# Allegro board BeagleBone AI -64_PCB_V1.02_211119.brd (continued)
## Routing (per net, layer and track width the routed paths; a pad name or vN(x,y) marks a point on that pad's centre or on a via; arc(x,y) is an arc through that point) (continued)
DSI_TX1_N: length 93.5
  TOP w0.106: J16.5 33.15,69.63 33.25,69.52 33.25,69.24 33.49,69 34.05,68.44 34.31,68.44 v1(34.58,68.18)
  TOP w0.165: v1(-3.49,39.98) -3.49,39.98 U19.D12
  L3-SIGNAL w0.103: v1(-3.49,39.98) -3.49,39.69 -3.85,39.33 -3.85,38.89 -3.71,38.74 -3.34,38.74 -3.13,38.53 -3.13,37.29 -3.34,37.08 -3.34,36.93 -3.34,36.87 -2.92,36.45 -2.46,36.45 -1.99,35.99 -1.99,35.16 -2.65,34.51 -2.65,33.52 -0.35,31.22 4.12,31.22 5.77,29.57 11.71,29.57 11.99,29.29 11.99,28.96 12.1,28.86 12.3,28.86 12.41,28.96 12.41,29.29 12.69,29.57 13.15,29.57 13.43,29.29 13.43,28.96 13.53,28.86 13.74,28.86 13.84,28.96 13.84,29.29 14.12,29.57 14.58,29.57 14.87,29.29 14.87,28.96 14.97,28.86 15.18,28.86 15.28,28.96 15.28,29.29 15.56,29.57 16.59,29.57 17.28,28.88 23.76,28.88 26.09,31.22 31.55,31.22 33.46,33.12 33.46,40.51 35.49,42.55 35.49,48.8 34.18,50.1 34.18,54.97 36.8,57.58 36.8,58.36 36.56,58.6 36.56,65.79 35.26,67.08 35.26,68.25 35.11,68.4 34.8,68.4 v1(34.58,68.18)
DSI_TX1_P: length 93.5
  TOP w0.106: v1(34.58,68.94) 34.35,68.71 34.16,68.71 33.52,69.35 33.52,69.52 33.65,69.65 J16.6
  TOP w0.165: v1(-4.29,39.18) -4.69,39.58 U19.C13
  L3-SIGNAL w0.103: v1(-4.29,39.18) -4.29,38.9 -3.85,38.46 -3.85,37.29 -3.64,37.08 -3.64,36.93 -3.64,36.74 -3.04,36.15 -2.58,36.15 -2.3,35.86 -2.3,35.29 -2.95,34.63 -2.95,33.39 -2.08,32.52 -2.08,32.37 -1.79,32.08 -1.64,32.08 -1.5,31.93 -1.5,31.81 -1.18,31.49 -1.06,31.49 -0.48,30.91 3.99,30.91 5.65,29.26 11.58,29.26 11.69,29.16 11.69,28.83 11.97,28.55 12.43,28.55 12.71,28.83 12.71,29.16 12.81,29.26 13.02,29.26 13.12,29.16 13.12,28.83 13.41,28.55 13.87,28.55 14.15,28.83 14.15,29.16 14.25,29.26 14.46,29.26 14.56,29.16 14.56,28.83 14.84,28.55 15.3,28.55 15.58,28.83 15.58,29.16 15.69,29.26 16.47,29.26 17.15,28.58 23.88,28.58 26.22,30.91 31.68,30.91 33.76,33 33.76,40.39 35.79,42.42 35.79,48.92 34.49,50.23 34.49,54.84 37.1,57.46 37.1,58.48 36.86,58.73 36.86,65.91 35.57,67.21 35.57,68.38 35.24,68.71 34.8,68.71 v1(34.58,68.94)
DSI_TX2_N: length 92.9
  TOP w0.106: v1(36.04,69.13) 36.29,69.38 36.29,69.64 36.15,69.78 J16.11
  TOP w0.165: U19.B13 -4.69,38.78 v1(-4.29,38.38)
  L3-SIGNAL w0.103: v1(-4.29,38.38) -4.29,38.09 -4.72,37.67 -4.72,36.98 -4.36,36.63 -4.36,32.64 -3.67,31.95 -3.67,31.55 -3.77,31.46 -3.77,31.31 -3.62,31.16 -3.48,31.16 -3.38,31.26 -2.98,31.26 -1.31,29.59 3.7,29.59 6,27.28 21.25,27.28 21.35,27.38 21.35,27.69 21.63,27.97 22.09,27.97 22.38,27.69 22.38,27.38 22.48,27.28 23.7,27.28 26.65,30.23 32.01,30.23 34.55,32.77 34.55,40.03 36.66,42.14 36.66,48.36 38.69,50.39 38.69,58.04 37.78,58.96 37.78,60.53 38.78,61.53 38.78,62.99 37.98,63.78 37.98,65.63 36.24,67.37 36.24,68.93 v1(36.04,69.13)
DSI_TX2_P: length 93
  TOP w0.106: J16.12 36.65,69.76 36.56,69.67 36.56,69.38 v1(36.8,69.13)
  TOP w0.165: U19.A14 -5.49,37.98 -5.09,37.58 v1(-5.09,37.58)
  L3-SIGNAL w0.103: v1(-5.09,37.58) -5.02,37.52 -5.02,36.86 -4.67,36.5 -4.67,32.51 -3.98,31.83 -3.98,31.68 -4.07,31.58 -4.07,31.18 -3.75,30.86 -3.35,30.86 -3.25,30.95 -3.11,30.95 -1.43,29.28 3.57,29.28 5.87,26.98 21.38,26.98 21.66,27.26 21.66,27.56 21.76,27.66 21.97,27.66 22.07,27.56 22.07,27.26 22.35,26.98 23.83,26.98 26.78,29.92 32.14,29.92 34.86,32.64 34.86,39.91 36.96,42.01 36.96,48.24 39,50.27 39,58.17 38.08,59.08 38.08,60.4 39.08,61.4 39.08,63.11 38.28,63.91 38.28,65.76 36.55,67.5 36.55,68.88 v1(36.8,69.13)
DSI_TX3_N: length 94.1
  TOP w0.106: v1(28.73,29.38) 28.48,29.14 26.4,29.14 25.99,28.73 25.99,27.84 24.87,26.72 21.8,26.72 20.07,28.45 17.74,28.45 16.6,29.58 10.24,29.58 8.4,31.42 5.87,31.42 5.18,32.11 5.18,33.99 2.73,36.44 -5.11,36.44 -5.87,37.2 -5.87,38.14 -5.49,38.52 U19.B14 ; J16.14 37.65,69.78 37.75,69.67 37.75,68.71 v1(37.52,68.48)
  L3-SIGNAL w0.103: v1(37.52,68.48) 37.75,68.25 37.75,67.49 40.56,64.68 40.56,61.95 40.45,61.84 40.44,61.84 40.34,61.74 40.34,61.53 40.44,61.43 40.45,61.43 40.56,61.33 40.56,61.12 40.45,61.02 40.44,61.02 40.34,60.91 40.34,60.7 40.44,60.6 40.45,60.6 40.56,60.5 40.56,59.86 39.78,59.08 39.78,49.81 38.4,48.43 38.4,46.71 39.06,46.05 39.06,44.65 37.8,43.4 37.8,41.4 35.54,39.14 35.54,32.21 32.49,29.15 28.95,29.15 v1(28.73,29.38)
DSI_TX3_P: length 94.1
  TOP w0.106: v1(38.28,68.48) 38.04,68.73 38.04,69.63 38.15,69.74 J16.15 ; U19.A15 -6.14,37.83 -6.14,37.09 -5.99,36.94 -5.99,36.79 -6.05,36.73 -6.05,36.54 -5.94,36.43 -5.75,36.43 -5.69,36.49 -5.54,36.49 -5.22,36.17 2.62,36.17 4.91,33.88 4.91,32 5.76,31.15 8.29,31.15 10.13,29.32 16.49,29.32 17.63,28.18 19.96,28.18 21.69,26.46 24.98,26.46 26.26,27.73 26.26,28.62 26.51,28.87 28.48,28.87 v1(28.73,28.62)
  L3-SIGNAL w0.103: v1(28.73,28.62) 28.95,28.85 32.61,28.85 35.85,32.08 35.85,39.02 38.11,41.28 38.11,43.27 39.36,44.53 39.36,46.18 38.7,46.84 38.7,48.3 40.09,49.68 40.09,58.96 40.86,59.73 40.86,64.81 38.06,67.62 38.06,68.25 v1(38.28,68.48)
DSI_TXCLK_N: length 93
  TOP w0.106: v1(33.33,61.04) 33.56,61.27 33.56,61.97 33.67,62.09 33.67,63.1 34.49,63.92 37.53,63.92 37.99,64.38 37.99,67.4 37.61,67.78 36.29,67.78 34.75,69.32 34.75,69.65 34.65,69.76 J16.8
  TOP w0.165: U19.E10 v1(-1.89,40.78)
  L3-SIGNAL w0.103: v1(33.33,61.04) 33.56,60.81 33.56,60.5 34.5,59.56 34.5,58.33 34.31,58.14 34.16,58.14 34.1,58.2 33.95,58.2 33.8,58.06 33.8,57.91 33.87,57.85 33.87,57.7 31.55,55.38 31.55,49.51 32.54,48.52 32.54,46.93 32.83,46.65 33.13,46.65 33.23,46.55 33.23,46.34 33.13,46.24 32.83,46.24 32.54,45.95 32.54,45.49 32.83,45.21 33.13,45.21 33.23,45.11 33.23,44.9 33.13,44.8 32.83,44.8 32.54,44.52 32.54,42.65 31.4,41.51 31.4,34.06 30.71,33.38 26.19,33.38 25.81,33.76 16.81,33.76 16.71,33.86 16.71,34.39 16.43,34.67 15.97,34.67 15.69,34.39 15.69,33.86 15.58,33.76 15.38,33.76 15.27,33.86 15.27,34.39 14.99,34.67 14.53,34.67 14.25,34.39 14.25,33.86 14.15,33.76 13.65,33.76 13.42,33.99 12.25,33.99 12.15,34.09 12.15,34.39 11.87,34.67 11.41,34.67 11.13,34.39 11.13,34.09 11.02,33.99 10.82,33.99 10.71,34.09 10.71,34.39 10.43,34.67 9.97,34.67 9.69,34.39 9.69,34.09 9.59,33.99 9.38,33.99 9.28,34.09 9.28,34.39 9,34.67 8.54,34.67 8.25,34.39 8.25,34.09 8.15,33.99 7.94,33.99 7.84,34.09 7.84,34.39 7.56,34.67 7.1,34.67 6.82,34.39 6.82,34.09 6.71,33.99 6.2,33.99 5.88,34.31 5.88,34.46 5.91,34.49 5.91,34.63 5.77,34.78 5.62,34.78 5.59,34.75 5.44,34.75 5.3,34.89 5.3,35.04 5.33,35.07 5.33,35.22 5.18,35.36 5.04,35.36 5,35.33 4.86,35.33 3.89,36.3 0.34,36.3 -0.2,36.83 -0.2,37.16 0.07,37.43 0.07,38.53 -0.22,38.82 -0.44,38.82 -0.65,39.03 -0.65,39.26 -0.94,39.54 -1.31,39.54 -1.53,39.76 -1.53,40.42 v1(-1.89,40.78)
DSI_TXCLK_P: length 93
  TOP w0.106: J16.9 35.15,69.76 35.02,69.64 35.02,69.43 36.4,68.05 37.72,68.05 38.26,67.51 38.26,64.27 37.64,63.65 34.6,63.65 33.94,62.99 33.94,61.98 33.83,61.86 33.83,61.3 v1(34.09,61.04)
  TOP w0.165: U19.E11 -3.09,41.18 v1(-2.69,40.78)
  L3-SIGNAL w0.103: v1(34.09,61.04) 33.86,60.81 33.86,60.63 34.8,59.69 34.8,58.2 31.86,55.26 31.86,49.63 32.85,48.64 32.85,47.06 32.95,46.95 33.25,46.95 33.53,46.67 33.53,46.21 33.25,45.93 32.95,45.93 32.85,45.83 32.85,45.62 32.95,45.52 33.25,45.52 33.53,45.24 33.53,44.78 33.25,44.49 32.95,44.49 32.85,44.39 32.85,42.52 31.71,41.38 31.71,33.94 30.84,33.07 26.07,33.07 25.69,33.45 16.69,33.45 16.4,33.74 16.4,34.26 16.3,34.37 16.09,34.37 15.99,34.26 15.99,33.74 15.71,33.45 15.25,33.45 14.97,33.74 14.97,34.26 14.86,34.37 14.66,34.37 14.55,34.26 14.55,33.74 14.27,33.45 13.52,33.45 13.29,33.68 12.13,33.68 11.85,33.96 11.85,34.26 11.74,34.37 11.54,34.37 11.43,34.26 11.43,33.96 11.15,33.68 10.69,33.68 10.41,33.96 10.41,34.26 10.31,34.37 10.1,34.37 10,34.26 10,33.96 9.71,33.68 9.25,33.68 8.97,33.96 8.97,34.26 8.87,34.37 8.66,34.37 8.56,34.26 8.56,33.96 8.28,33.68 7.82,33.68 7.54,33.96 7.54,34.26 7.43,34.37 7.23,34.37 7.12,34.26 7.12,33.96 6.84,33.68 6.08,33.68 3.77,35.99 0.21,35.99 -0.5,36.7 -0.5,37.16 -0.7,37.36 -0.7,38.51 -1.02,38.82 -1.24,38.82 -1.45,39.03 -1.45,39.26 -1.74,39.55 -1.97,39.55 -2.25,39.83 -2.25,40.34 v1(-2.69,40.78)
DSI_TXRCALIB: length 0.6
  TOP w0.229: v1(-3.49,41.58) -3.89,41.98 U19.F12
E22_WKUP_GPIO0_37: length 63.3
  TOP w0.229: U19.E22 -11.89,41.18 v1(-12.29,40.78)
  L3-SIGNAL w0.102: v1(-20.24,10.31) -20.71,10.78 -23.55,10.78 -26.77,7.57 -34.03,7.57 -36.87,10.42 -44.44,10.42 v1(-45.87,8.99)
  L10-SIGNAL w0.102: v1(-20.24,10.31) -20.17,10.31 -19.07,11.41 -19.07,15.22 -18.41,15.88 -18.41,21.86 -17.06,23.21 -17.06,25.63 -16,26.7 -16,29.72 -15.41,30.3 -15.41,33.43 -12.92,35.92 -12.92,38.71 -12.29,39.34 v1(-12.29,40.78)
E24_MCU_BOOTMODE01: length 12.8
  TOP w0.229: v1(-13.89,40.78) -13.49,41.18 U19.E24
  L12-SIGNAL w0.102: v1(-20.09,35.52) -20.09,35.91 -20.31,36.14 -20.31,38.12 -18.89,39.54 -17.02,39.54 -16.73,39.83 -16.73,40.05 -16.41,40.38 -15.61,40.38 -15.61,40.38 -14.3,40.38 v1(-13.89,40.78)
  BOTTOM w0.165: v1(-20.09,35.52) -20.09,35.54 -19.98,35.43 -19.98,34.96 -20.21,34.73 R121.2 R126.1
E26_MCU_I3C0_SDAPULLEN: length 14
  TOP w0.165: v1(-26,39.27) -26.07,39.21 R210.1
  TOP w0.229: v1(-15.49,40.78) -15.09,41.18 U19.E26
  L3-SIGNAL w0.102: v1(-26,39.27) -25.27,40.01 -23.5,40.01 -22.43,41.07 -21.38,41.07 -21.3,40.99 -20.99,40.99 -20.99,41 -19.73,41 -19.22,41.51 -17.9,41.51 -17.42,41.99 -15.34,41.99 -15.1,41.75 -15.1,41.42 -15.44,41.08 -15.44,40.84 v1(-15.49,40.78)
E27_MCU_BOOTMODE00: length 8.6
  TOP w0.229: U19.E27 -16.29,40.78 v1(-16.29,40.78)
  L3-SIGNAL w0.102: v1(-16.29,40.78) -16.29,40.54 -16.69,40.15 -16.69,39.83 -16.94,39.58 -17.26,39.58 -17.49,39.35 -17.49,36.84 v1(-18.81,35.52)
  BOTTOM w0.165: v1(-18.81,35.52) -18.85,35.48 R107.2 R120.1
E28_MCU_BOOTMODE02: length 3.7
  TOP w0.229: U19.E28 -16.69,41.18 v1(-17.09,40.78)
  L12-SIGNAL w0.102: v1(-17.09,40.78) -17.45,40.42 -18.27,40.42 v1(-18.94,41.1)
  BOTTOM w0.165: v1(-18.94,41.1) -18.94,41.14 R112.2 R113.1
EEPROM_WP: length 10.2
  BOTTOM w0.165: R156.1 -36.02,46.96 -36.16,46.81 -36.45,46.81 -36.58,46.69 R155.2 ; R156.1 -35.48,47.23 -35.34,47.36 U7.5 ; R156.1 -36.02,47.66 -36.37,48.01 -37.54,48.01 -37.99,47.56 R377.1 -38.35,47.22 -39.08,46.48 -39.08,45.06 -39.52,44.63 TP15.1
EMMC_CLK: length 36.5
  TOP w0.076: U26.M6 21.7,60.25 v1(21.7,60.02)
  TOP w0.165: R305.2 7.83,58.6 v1(8.08,58.85)
  L3-SIGNAL w0.102: v1(21.7,60.02) 22.66,60.02 23.09,59.59 24.11,59.59 25.25,58.45 25.25,56.47 24.85,56.06 24.41,56.06 24.31,56.16 24.31,57.08 24.21,57.18 24.01,57.18 23.9,57.08 23.9,56.16 23.8,56.06 23.6,56.06 23.5,56.16 23.5,57.08 23.4,57.18 23.19,57.18 23.09,57.08 23.09,56.16 22.99,56.06 22.79,56.06 22.68,56.16 22.68,57.08 22.58,57.18 22.38,57.18 22.28,57.08 22.28,56.16 22.18,56.06 21.97,56.06 21.87,56.16 21.87,57.08 21.77,57.18 21.57,57.18 21.47,57.08 21.47,56.16 21.36,56.06 20.91,56.06 18.85,58.12 18.85,60.15 18.47,60.53 15.07,60.53 13.98,59.44 9.07,59.44 8.49,58.85 v1(8.08,58.85)
EMMC_CMD: length 31.9
  TOP w0.076: U26.M5 21.54,60.91 v1(21.7,60.91)
  TOP w0.165: R304.2 R303.2 7.86,60.1 v1(7.96,60)
  L3-SIGNAL w0.102: v1(7.96,60) 7.96,59.59 8.06,59.49 8.67,59.49 9.01,59.83 9.01,60.19 9.3,60.48 9.66,60.48 9.86,60.28 10.06,60.28 10.27,60.48 10.63,60.48 10.73,60.38 10.73,59.97 10.85,59.84 11.03,59.84 11.13,59.95 11.13,60.38 11.23,60.48 12.99,60.48 13.51,61 14.68,61 14.78,61.11 14.78,61.39 14.88,61.49 15.09,61.49 15.19,61.39 15.19,61.11 15.29,61 15.72,61 15.93,60.8 17.67,60.8 17.77,60.9 17.77,61.6 17.87,61.7 18.08,61.7 18.18,61.6 18.18,60.9 18.27,60.81 18.27,60.81 18.83,60.81 19.01,61 19.01,61.6 19.12,61.7 19.4,61.7 19.5,61.6 19.5,60.72 19.67,60.56 20.05,60.56 20.17,60.43 20.17,58.04 20.63,57.58 23.22,57.58 23.37,57.74 23.37,58.24 23.12,58.5 21.34,58.5 21.04,58.8 21.04,60.66 21.29,60.91 v1(21.7,60.91)
EMMC_DAT0: length 7.4
  TOP w0.076: 27.5,64.29 27.41,64.2 27.41,62.6 27.03,62.21 U26.A3
  TOP w0.165: 27.5,64.29 28.17,64.96 28.17,64.97 28.31,65.11 28.31,65.6 29.19,66.47 29.19,67.18 28.78,67.59 R326.2 R325.2
EMMC_DAT1: length 8.1
  TOP w0.076: 27.84,62.26 27.3,61.71 U26.A4
  TOP w0.165: 27.84,62.26 30.3,64.71 30.3,64.91 31.07,65.69 31.74,65.69 32.1,66.05 R333.2 R340.2
EMMC_DAT2: length 7.5
  TOP w0.076: U26.A5 27.84,61.21
  TOP w0.165: R342.2 R335.2 32.1,64.31 31.67,63.88 30.52,63.88 27.84,61.21
EMMC_DAT3: length 6.5
  TOP w0.076: 26.52,64.29 25.99,63.76 25.99,62.96 U26.B2
  TOP w0.165: R321.2 R322.2 27.02,67.59 27.44,67.17 27.44,65.2 26.52,64.29
EMMC_DAT4: length 7.3
  TOP w0.076: 27.06,64.29 27.06,62.66 26.85,62.46 26.48,62.46 U26.B3
  TOP w0.165: R323.2 R324.2 27.91,67.59 28.33,67.18 28.33,66.37 27.84,65.89 27.84,65.13 27.06,64.34 27.06,64.29
EMMC_DAT5: length 8.8
  TOP w0.076: U26.B4 26.48,61.95 27.16,61.95 27.67,62.46 27.67,62.92 27.84,63.1
  TOP w0.165: 27.84,63.1 28.31,63.57 28.31,64.02 28.83,64.53 28.83,64.57 30.38,66.13 30.38,67.18 29.97,67.59 R328.2 R327.2
EMMC_DAT6: length 8.4
  TOP w0.076: 27.84,61.72 27.59,61.47 26.49,61.47 U26.B5
  TOP w0.165: 27.84,61.72 30.9,64.78 31.7,64.78 32.1,65.19 R334.2 R341.2
EMMC_DAT7: length 7.9
  TOP w0.076: 27.84,60.88 27.71,60.88 27.64,60.95 26.48,60.95 U26.B6
  TOP w0.165: R343.2 R336.2 32.1,63.44 31.48,62.82 30.03,62.82 28.09,60.88 27.84,60.88
EMMC_DS: length 1.3
  TOP w0.165: U26.H5 22.94,61.5 v1(22.94,61.7)
  BOTTOM w0.165: R41.1 23.09,62.28 23.09,61.85 v1(22.94,61.7)
EMMC_RESET: length 6.6
  TOP w0.076: U26.K5 21.99,61.45 21.99,64.02 21.72,64.29
  TOP w0.165: R319.2 R320.2 21.49,64.52 21.72,64.29
EMMC_VCCI: length 2.3
  TOP w0.076: U26.C2 25.49,62.95 25.49,63.64 v1(25.53,63.68)
  BOTTOM w0.254: C66.1 25.61,63.76 v1(25.53,63.68) 25.55,63.66 C63.1
EN_1V1: length 2.5
  TOP w0.165: R276.2 12.15,28.45 11.69,27.99 11.69,27.31 11.34,26.96 U18.5
EN_2V5: length 2.4
  TOP w0.165: U9.5 -19.29,17.45 -18.34,16.5 R163.2
EN_3V3IO_LDSW: length 25.9
  TOP w0.165: R317.1 18.52,23.07 v1(18.68,23.22) 18.49,23.4 U23.3 ; U29.53 v1(38.57,30.5)
  L10-SIGNAL w0.102: v1(38.57,30.5) 37.57,29.49 33.51,29.49 32.14,28.12 24.82,28.12 23.09,26.39 20.43,26.39 18.68,24.64 v1(18.68,23.22)
EN_DDR_BUCK: length 16.7
  TOP w0.165: R345.1 36.02,37.16 36.25,37.39 v1(36.25,37.54) 35.91,37.89 U28.8 ; U29.46 v1(42.07,30.55)
  L5-SIGNAL w0.102: v1(42.07,30.55) 41.6,30.08 39.96,30.08 39.66,30.38 39.66,31.04 39.44,31.25 36.42,31.25 35.72,31.95 35.72,37.01 v1(36.25,37.54)
EN_DRV_OUT: length 5.7
  TOP w0.165: U30.29 46.98,50.62 48.35,49.25 49.67,49.25 TP14.1
EN_LM5141_ON: length 3.7
  BOTTOM w0.165: U3.23 17.64,11.71 17.13,11.2 17.13,9.78 16.51,9.17 R56.2
EXP_USB1_DN4_D_N: length 10.7
  TOP w0.13: P9.E2 23.95,23.65 23.83,23.52 20.5,23.52 19.62,22.63 19.62,21.19 19.09,20.66 18.55,20.66 18.34,20.87 D40.3 17.97,20.94 L14.2
EXP_USB1_DN4_D_P: length 10.7
  TOP w0.13: P9.E1 23.95,23.13 23.83,23.25 20.61,23.25 19.88,22.52 19.88,21.07 19.2,20.39 18.55,20.39 18.34,20.19 D40.2 17.95,20.09 L14.3
F25_MCU_BOOTMODE04: length 67.4
  TOP w0.229: v1(-14.69,41.58) -14.69,41.58 U19.F25
  L5-SIGNAL w0.102: v1(-43.63,12.83) -43.63,15.83 -39.14,20.32 -39.14,28.91 -39.59,29.36 -39.59,34.29 -42.23,36.93 -42.23,39.3 -38.78,42.75 -35.27,42.75 -34.69,42.17 -30.45,42.17 -29.81,42.8 -27.93,42.8 -27.35,43.38 -26.08,43.38 v1(-25.57,43.89)
  L12-SIGNAL w0.102: v1(-25.57,43.89) -24.49,43.89 -24.2,43.6 -22.21,43.6 -22.02,43.41 -20.19,43.41 -19.2,44.4 -14.47,44.4 -14.27,44.2 -14.27,42.01 v1(-14.69,41.58)
  BOTTOM w0.165: J10.8 -44.27,12.81 -44.25,12.83 v1(-43.63,12.83) ; R140.1 -25.67,44.32 R139.2 -25.66,43.98 v1(-25.57,43.89)
F26_MCU_BOOTMODE03: length 98.3
  TOP w0.165: R246.1 -22.43,40.25 v1(-22.47,40.29) -22.41,40.35 R247.2
  TOP w0.229: U19.F26 -15.09,41.98 v1(-15.49,41.58)
  L3-SIGNAL w0.102: v1(-37.71,11.84) -38.84,11.84 -38.92,11.91 -45.46,11.91 v1(-45.84,11.53)
  L5-SIGNAL w0.102: v1(-40.23,40.01) -38.4,40.01 -37.59,40.82 -33.67,40.82 -33.12,41.38 -31.79,41.38 -31.44,41.02 -31.34,41.02 -31.24,40.92 -30.25,40.92 -30.09,41.07 -29.38,41.07 -28.67,40.36 -28.14,40.36 -27.78,40.72 -27.78,40.92 -27.5,41.2 -25.56,41.2 -25.26,40.9 -23.08,40.9 v1(-22.47,40.29) -20.02,40.29 -19.86,40.12 -19.08,40.12 -17.98,41.22 -15.85,41.22 v1(-15.49,41.58)
  L10-SIGNAL w0.102: v1(-37.71,11.84) -36.09,13.46 -36.09,16.38 -38.3,18.59 -38.3,28.75 -39.21,29.67 -39.21,39.5 -39.72,40.01 v1(-40.23,40.01) -40.51,40.29 -40.51,47.09 -38.45,49.15 -38.45,51.97 -37.99,52.43 -37.99,57.48 v1(-37.56,57.91)
  BOTTOM w0.165: v1(-37.56,57.91) Q1.1 -38.14,57.98 -41.64,61.49 SW1.4 SW1.2
F27_MCU_SPI1_CS0: length 65.5
  TOP w0.229: U19.F27 -16.29,41.58 v1(-16.29,41.58)
  L3-SIGNAL w0.102: v1(-16.29,41.58) -16.54,41.58 -16.93,41.19 -18.27,41.19 -19.95,39.51 -21.52,39.51 -21.85,39.84 -23.34,39.84 -23.4,39.78 -24.86,39.78 v1(-25.37,39.27)
  L5-SIGNAL w0.102: v1(-25.37,39.27) -25.77,39.68 -26.38,39.68 -26.95,40.25 -27.87,40.25 -27.98,40.13 -30.04,40.13 -30.19,40.29 -34.33,40.29 -34.64,40.59 -37.38,40.59 -38.37,39.6 -40.89,39.6 -41.55,38.94 -41.55,37.28 -38.91,34.63 -38.91,29.65 -38.45,29.19 -38.45,17.42 -40.41,15.46 -40.41,12.24 -39.49,11.33 v1(-39.49,10.92)
  BOTTOM w0.165: v1(-39.49,10.92) -44.17,10.92 -44.82,10.27 J10.12
F28_MCU_BOOTMODE05: length 62.9
  TOP w0.229: U19.F28 -17.09,41.58 v1(-17.09,41.58)
  L10-SIGNAL w0.102: v1(-21.33,36.63) -21.33,36.15 -21.76,35.71 -21.76,33.91 -21.63,33.78 -21.63,31.29 -21.53,31.19 -21.53,22.56 -21.69,22.4 -21.69,14.25 -20.97,13.54 v1(-20.97,11.15)
  L12-SIGNAL w0.102: v1(-45.84,14.07) -40.79,14.07 -36.6,9.88 -24.68,9.88 -23.41,11.15 v1(-20.97,11.15)
  BOTTOM w0.114: -18.31,39.6 -16.93,39.6 -16.71,39.82 -16.71,41.2 v1(-17.09,41.58)
  BOTTOM w0.165: v1(-21.33,36.63) -21.33,37.75 -20.36,38.71 -19.41,38.71 -19.01,39.11 R115.2 R114.1 -18.52,39.81 -18.31,39.6
FAN_PWM: length 12.8
  TOP w0.165: R374.2 R384.2 v1(-41.84,6.85) -42.01,6.68 Q5.3 ; v1(-38.33,12.69) D49.2 -38.76,12.31 -38.99,12.31 -39.81,11.48 J1.4
  L5-SIGNAL w0.102: v1(-41.84,6.85) -41.55,7.13 -41.43,7.13 -40.68,7.89 -40.68,8.87 -38.33,11.22 v1(-38.33,12.69)
FAN_TACH: length 19.2
  TOP w0.165: v1(-38.38,13.66) D48.2 -38.38,13.65 -39.29,12.73 J1.3 ; R376.2 R385.2 -41.5,5.49 -41.95,5.95 -43.55,5.95 -44.32,6.71 v1(-44.9,6.71) -45.38,6.71 Q6.3
  L5-SIGNAL w0.102: v1(-38.38,13.66) -38.38,13.26 -38.75,12.88 -38.75,11.13 -40.91,8.97 -40.91,8 -41.55,7.36 -44.25,7.36 v1(-44.9,6.71)
FB_1V1: length 2.9
  TOP w0.203: U18.8 7.06,25.96
  TOP w0.254: 7.06,25.96 6.6,25.5 R299.1 R277.2
FB_2V5: length 2.4
  TOP w0.203: R164.1 -20.15,21.34 -20.29,21.2 U9.8
  TOP w0.254: R164.1 R166.2
G22_MCU_UART0_RXD: length 61.5
  TOP w0.229: U19.G22 -11.89,42.78 v1(-12.29,42.38)
  L3-SIGNAL w0.102: v1(-20.16,9.6) -20.57,10.01 -24,10.01 -26.67,7.34 -34.16,7.34 -36.67,9.86 v1(-38.12,9.86)
  L10-SIGNAL w0.102: v1(-20.16,9.6) -18.84,10.92 -18.84,11.23 -16.2,13.87 -16.2,20.42 -15.82,20.8 -15.82,22.71 -16.07,22.96 -16.07,23.65 -15.87,23.85 -15.61,23.85 -14.67,24.79 -14.67,25.53 -14.85,25.71 -14.85,31.29 -11.63,34.52 -11.63,37.09 -11.91,37.36 -11.91,38.69 -11.58,39.02 -11.58,41.67 v1(-12.29,42.38)
  BOTTOM w0.165: v1(-38.12,9.86) -38.65,9.86 -39.06,10.27 J10.11
G26_MCU_I2C1_SDA: length 14.9
  TOP w0.165: v1(-28.41,43.21) -28.44,43.21 -28.44,43.67 R194.1
  TOP w0.229: v1(-15.49,42.38) -15.49,42.38 U19.G26
  L12-SIGNAL w0.102: v1(-28.41,43.21) -28.13,42.93 -28.13,42.92 -27.78,42.57 -26.21,42.57 -25.72,42.08 -23.26,42.08 -23.08,42.26 -19.55,42.26 -19.27,41.99 -15.89,41.99 v1(-15.49,42.38)
G27_MCU_I2C1_SCL: length 13.2
  TOP w0.165: R200.1 -27.39,43.55 -27.07,43.87 v1(-26.99,43.87)
  TOP w0.229: v1(-16.29,42.38) -15.89,42.78 U19.G27
  L12-SIGNAL w0.102: v1(-16.29,42.38) -16.69,42.78 -22.1,42.78 -22.47,43.14 -26.27,43.14 v1(-26.99,43.87)
G29_MCU_BOOTMODE08: length 10.4
  TOP w0.229: v1(-17.89,42.38) -17.49,42.78 U19.G29
  L3-SIGNAL w0.102: v1(-17.89,42.38) -20.24,42.38 -20.49,42.13 -22.13,42.13 -22.57,41.69 -22.57,41.67 -22.95,41.29 -25.71,41.29 v1(-26.23,40.77)
  BOTTOM w0.165: R144.1 -26.25,40.75 v1(-26.23,40.77) -26.23,40.35 -26.31,40.27 R143.2
GRSTZ: length 7.4
  TOP w0.165: R288.2 R289.2 -16.03,25.08 -15.59,25.53 -11.75,25.53 -11.01,26.27 U20.50
H27_MCU_TIMER_IO1: length 63.9
  TOP w0.229: U19.H27 -16.29,43.18 v1(-16.29,43.18)
  L5-SIGNAL w0.102: v1(-16.29,43.18) -16.73,42.74 -18.52,42.74 -18.99,42.27 -21.99,42.27 -22.57,41.69 -22.57,41.61 -22.98,41.2 -25.24,41.2 -26.1,42.06 -27.49,42.06 -28.35,41.2 -28.85,41.2 -29.21,41.56 -30.27,41.56 -30.46,41.38 -31.03,41.38 -31.59,41.94 -39.2,41.94 -42.01,39.14 -42.01,37.09 -39.36,34.44 -39.36,29.46 -38.91,29 -38.91,17.7 -42.54,14.07 -42.54,8.33 v1(-41.95,7.75)
H28_MCU_BOOTMODE09: length 8.5
  TOP w0.229: v1(-17.09,43.18) -17.09,43.18 U19.H28
  L3-SIGNAL w0.102: v1(-17.09,43.18) -17.47,43.56 -19.7,43.56 -20.4,42.87 -22.97,42.87 v1(-23.26,42.58)
  BOTTOM w0.165: R138.1 -23.35,43.01 R137.2 -23.34,42.91 -23.21,42.78 -23.21,42.58 v1(-23.26,42.58)
H29_MCU_BOOTMODE06: length 4.4
  TOP w0.165: U19.H29 -17.78,43.29 -18.9,43.29 -19.63,42.57 R267.1 -20.59,42.57 -21.15,42.01 R268.2
H_DDR_RET_1V1: length 76.2
  TOP w0.165: U29.47 v1(41.57,30.91)
  TOP w0.229: U19.P6 v1(1.31,47.98)
  L5-SIGNAL w0.102: v1(24.8,53.93) 24.39,53.93 24.24,54.08 21.06,54.08 v1(20.86,53.87) ; v1(41.57,30.91) 41.94,31.28 44.6,31.28 46.87,33.55 46.87,38.79 46.64,39.02 v1(46.64,39.42)
  L10-SIGNAL w0.102: v1(46.64,39.42) 46.13,39.93 46.13,42.42 47.56,43.84 47.56,48.31 44.89,50.98 42.4,50.98 42.27,51.11 41.97,51.11 41.84,50.98 33.53,50.98 32.29,52.22 29.52,52.22 28.47,53.28 27.3,53.28 26.65,53.93 v1(24.8,53.93)
  L12-SIGNAL w0.102: v1(1.31,47.98) 1.7,47.59 5.47,47.59 11.26,53.37 15.81,53.37 16.19,52.99 20.36,52.99 20.86,53.48 v1(20.86,53.87)
  BOTTOM w0.165: v1(20.86,53.87) 20.97,53.77 R44.2
H_MCU_INT#: length 133.7
  TOP w0.165: v1(35.11,21.72) 35.49,22.1 35.49,22.41 35.72,22.64 U29.14 ; U30.14 37.77,50.62 37.62,50.48 37.62,50.27 36.89,49.53 32.92,49.53 31.98,48.6 v1(31.98,48.34) 31.85,48.21 R329.2
  L5-SIGNAL w0.102: v1(35.11,21.72) 36,22.61 36,27.97 31.5,32.47 31.5,45.82 31.66,45.98 31.66,47.17 31.64,47.19 31.64,47.99 v1(31.98,48.34) ; v1(-23.34,15.67) -23.05,15.39 -15.93,15.39 -15.39,15.92 -5.49,15.92 -5.07,16.33 -3.12,16.33 -2.71,15.92 6.02,15.92 8.44,18.34 16.39,18.34 18.57,16.16 32.16,16.16 32.92,15.39 35.29,15.39 v1(35.36,15.32)
  L10-SIGNAL w0.102: v1(35.36,15.32) 35.36,21.07 35.11,21.32 v1(35.11,21.72) ; v1(-23.34,15.67) -23.34,23.06 -23.18,23.22 -23.18,30.33 -22.09,31.42 -22.09,33.58 -22.22,33.71 -22.22,35.92 -22.07,36.07 -22.07,37.11 -21.86,37.31 -21.86,38.18 -22.1,38.42 -22.1,40.44 -22.2,40.54 v1(-22.2,41.54)
  BOTTOM w0.165: -22.2,41.44 v1(-22.2,41.54)
H_MCU_PORZ: length 187.2
  TOP w0.165: v1(-37.22,46.75) -37.18,46.79 -36.8,46.79 -36.66,46.65 U12.4 ; R330.2 v1(32.01,47.36) ; U30.25 v1(44.13,48.64) ; v1(-23.03,44.97) -23.03,44.96 -22.99,45 R239.2
  L5-SIGNAL w0.102: v1(-23.03,44.97) -23.32,45.26 -23.39,45.26 -23.7,45.58 -23.7,45.61 -23.98,45.89 -31.71,45.89 -32,46.18 -33.5,46.18 -34.07,46.75 v1(-37.22,46.75) ; v1(44.13,48.64) 44.13,45.63 47.41,42.34 47.43,42.34 47.56,42.22 47.56,33.2 46.88,32.53 46.88,28.89 45.75,27.76 45.24,27.76 44.33,26.85 44.33,19.64 42.55,17.86 42.55,15.85 40.33,13.63 36.31,13.63 35.2,12.52 32.47,12.52 32.21,12.27 32.21,11.76 31.68,11.23 31.17,11.23 30.61,10.67 22.79,10.67 21.77,11.69 v1(20.83,11.69)
  L10-SIGNAL w0.102: v1(-36.6,18.04) -36.42,18.21 -36.42,20.78 -35.86,21.34 -35.86,25.75 -37.61,27.5 -37.61,29.08 -38.47,29.95 -38.47,46 -37.73,46.75 v1(-37.22,46.75) ; v1(32.01,47.36) 32.38,46.99 36.86,46.99 38.23,48.36 39.74,48.36 39.83,48.27 43.76,48.27 v1(44.13,48.64)
  L12-SIGNAL w0.102: v1(-36.6,18.04) -36.21,18.42 -30.5,18.42 -29.25,19.66 -23.69,19.66 -23.49,19.46 -12.69,19.46 -11.75,18.51 -11.75,17.61 -10.78,16.64 -8.45,16.64 -7.58,17.51 -6,17.51 -5.81,17.32 -2.36,17.32 -1.59,16.56 -1.59,14 -0.15,12.55 7.25,12.55 7.63,12.17 12.5,12.17 13.54,11.13 20.28,11.13 v1(20.83,11.69)
H_PMIC_WAKE: length 15
  TOP w0.165: v1(33.25,57.61) 33.23,57.59 R337.2 33.23,56.9 33.2,56.87 33.2,56.82 33,56.61 U27.4 ; U30.47 43.63,58.87 v1(43.63,58.88)
  L10-SIGNAL w0.102: v1(33.25,57.61) 34.68,57.61 35.31,56.97 41.03,56.97 41.73,57.67 41.73,58.69 42.32,59.29 43.22,59.29 v1(43.63,58.88)
H_SOC_PORZ: length 110
  TOP w0.165: v1(40.6,58.47) 40.63,58.44 U30.53 ; R240.2 -22.99,44.24 v1(-23.03,44.2)
  L3-SIGNAL w0.102: v1(38.46,36.68) 37.67,37.47 37.67,39.42 39.3,41.05 39.3,42.22 40.54,43.46 40.54,47.39 42.02,48.86 42.02,49.53 41.75,49.8 41.75,50.88 42.02,51.14 42.02,56.41 40.6,57.84 v1(40.6,58.47)
  L5-SIGNAL w0.102: v1(-22.78,28.96) -20.87,28.96 -20.03,29.8 -14.42,29.8 -13.74,29.11 -8.1,29.11 -7.7,29.51 -4.84,29.51 -4.83,29.52 -3.4,29.52 -3.19,29.31 -1.87,29.31 -0.27,30.91 4.04,30.91 5.37,29.59 8.42,29.59 8.8,29.97 9.14,29.97 10.09,30.93 10.1,30.93 11.36,32.18 15.98,32.18 16.26,31.9 25.97,31.9 v1(26.19,31.68)
  L8-PWR/GND w0.127: v1(-22.78,28.96) -23.2,29.38 -23.2,31.84 -22.94,32.1 -22.94,35.55 -23.16,35.76 -23.16,40.21 -22.68,40.69 -22.49,40.69 -21.81,41.37 -21.81,42.19 -22.63,43 -22.63,43.79 v1(-23.03,44.2)
  L10-SIGNAL w0.102: v1(38.46,36.68) 34.5,36.68 29.5,31.68 v1(26.19,31.68)
  BOTTOM w0.165: R20.2 40.43,57.85 40.6,58.02 v1(40.6,58.47)
HB_LM5141: length 1.8
  BOTTOM w0.203: C92.1 18.86,17.27 19.14,16.99 U3.11
  BOTTOM w0.381: C92.1 18.86,17.84 v1(18.93,17.91)
HO_LM5141: length 2.9
  TOP w0.203: R318.1 20.48,16.36 v1(21.31,15.54)
  BOTTOM w0.203: U3.13 v1(21.31,15.54)
HOL_LM5141: length 13.3
  TOP w0.165: Q3.4 25.71,19.29 25.55,19.46 v1(25.05,19.46)
  TOP w0.203: R318.2 20.2,15.44 20.6,15.04 21.4,15.04 v1(21.85,15.04)
  L10-SIGNAL w0.102: v1(21.85,15.04) 21.85,15.6 21.19,16.26 21.19,18.92 22,19.74 24.77,19.74 v1(25.05,19.46)